# Altium PCB PCB1.PcbDoc (part 3 of 4) (continued)
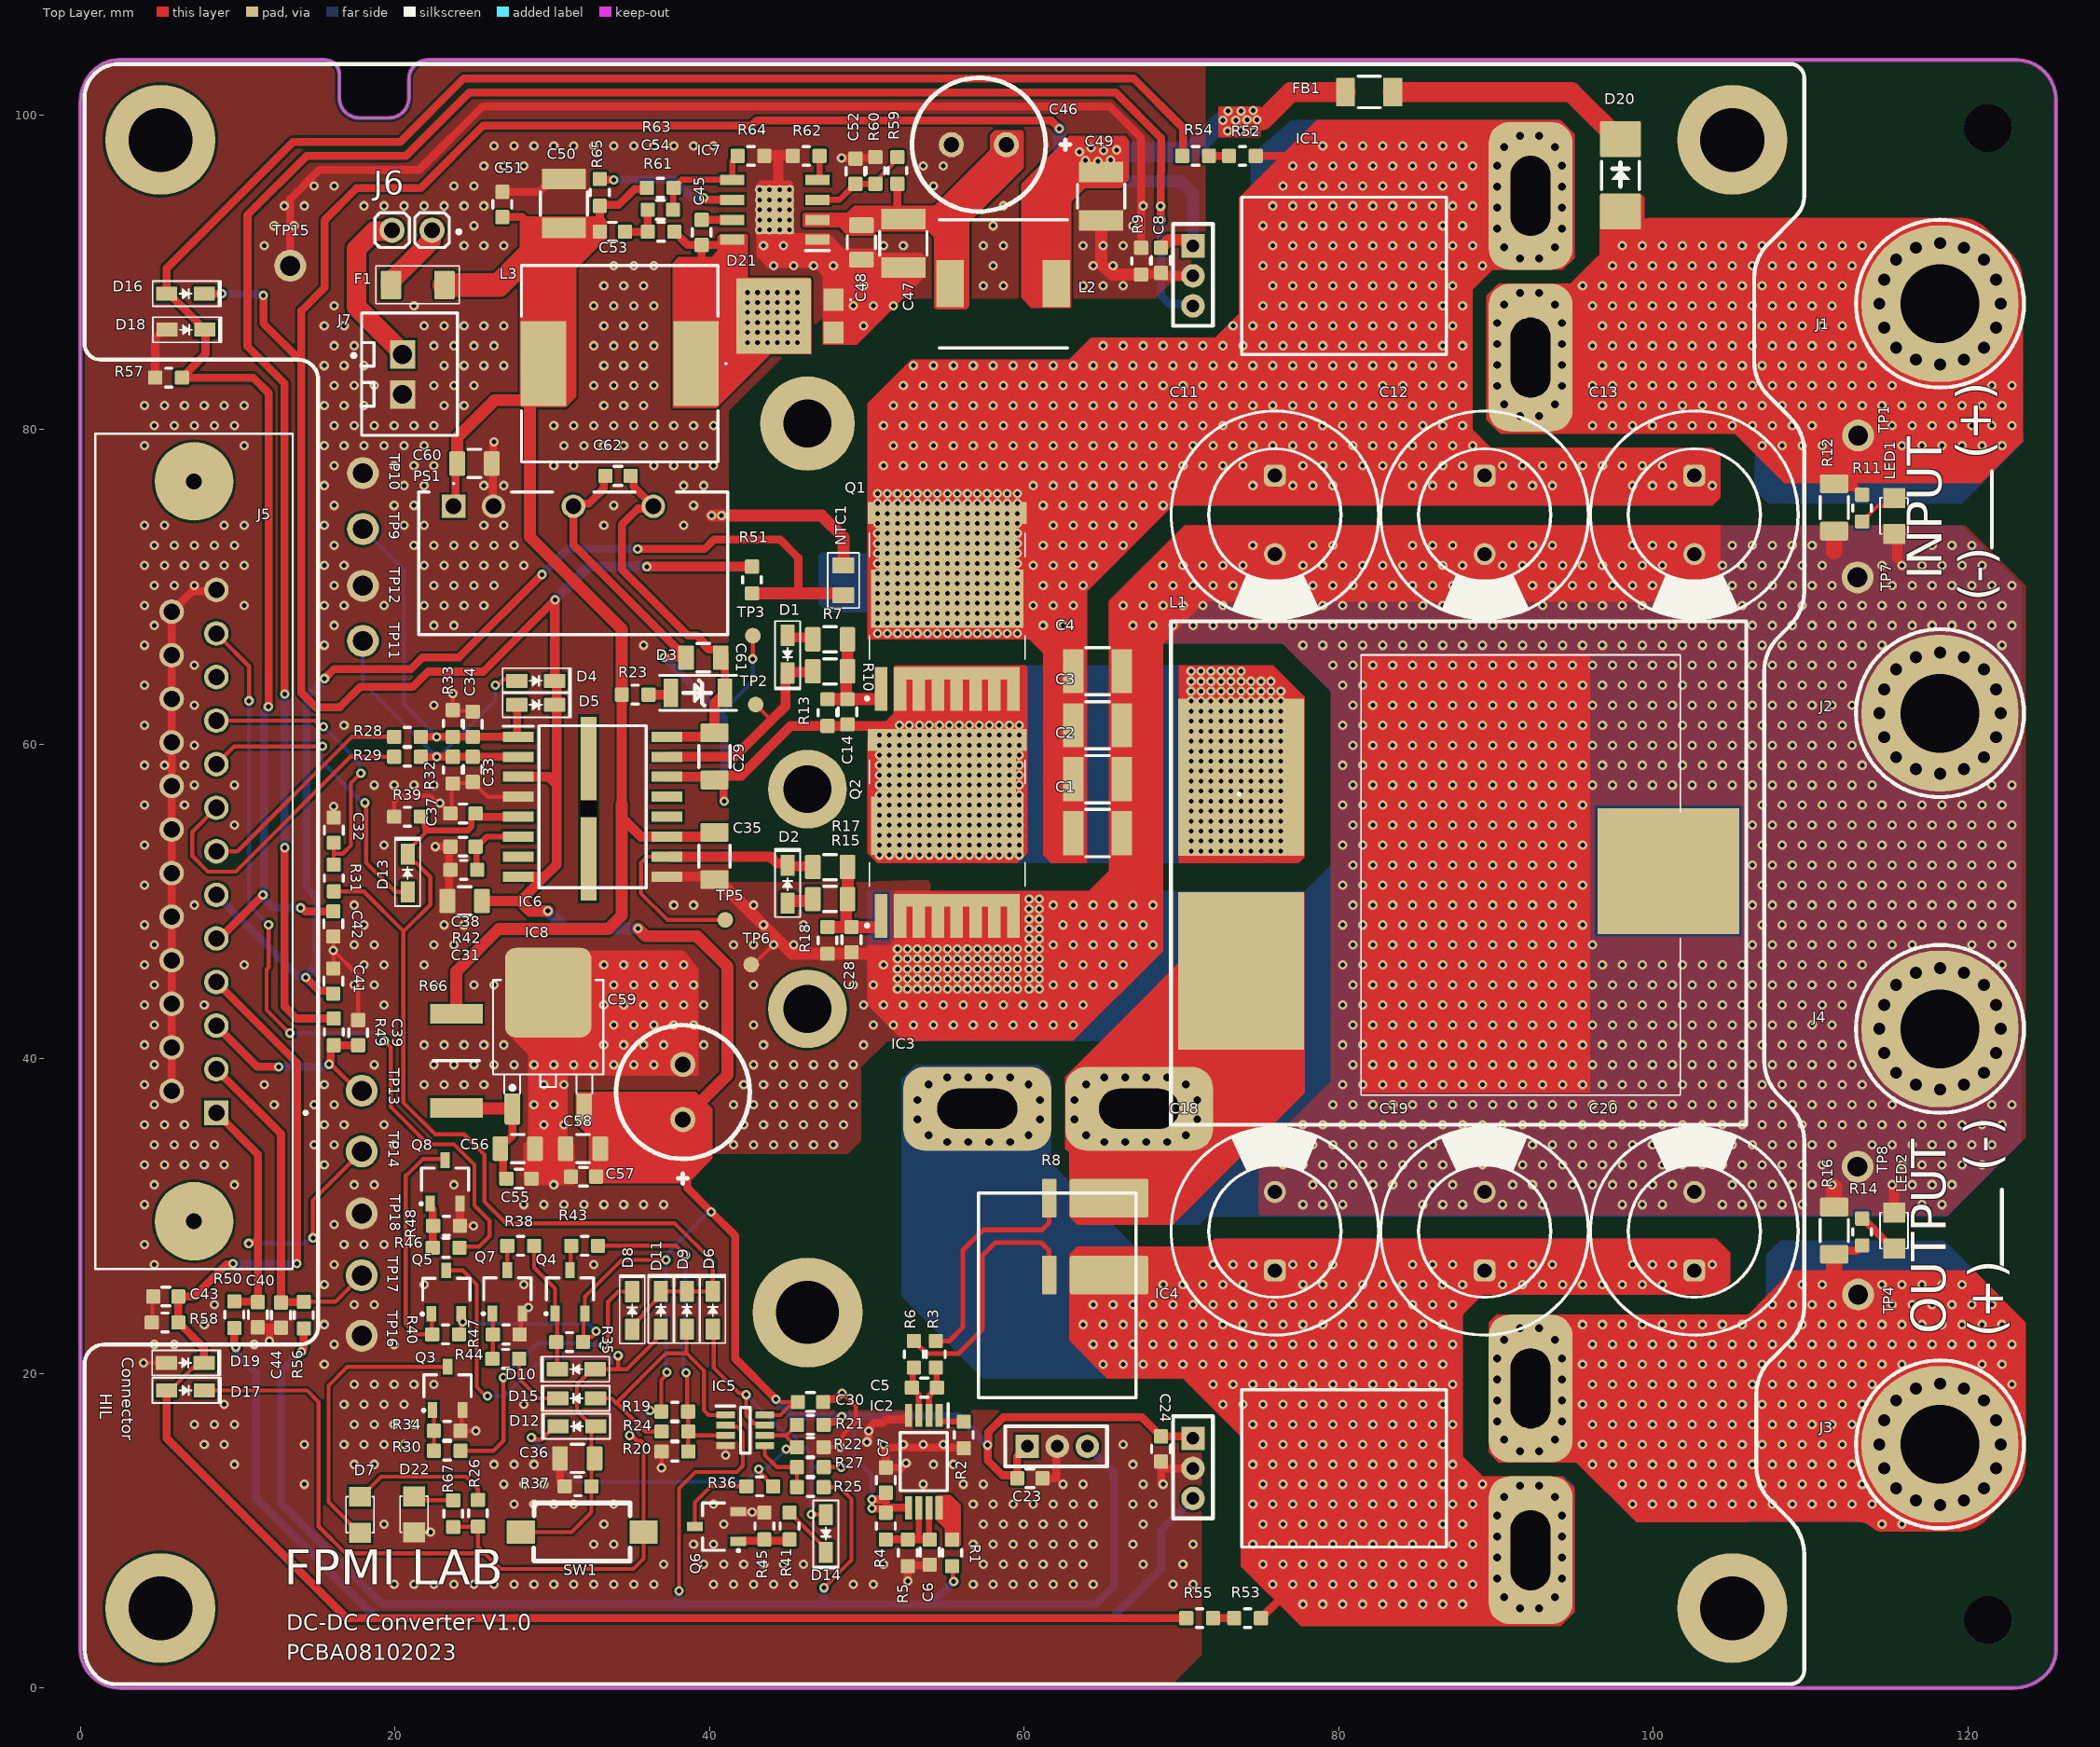
[diagram p0: Top Layer view]
## Nets (pads, with @x,y where several pads share a name; then routed paths per layer and width w, separated by ;. In a path a pad name is that pad's centre, name@x,y a point inside that pad or via, vN(x,y) a via of type N, cw(c..) or ccw(c..) an arc to the next point about the centre after c; other vN are vias at no path point) (continued)
106.299,70.104 107.569,70.104 108.839,70.104 110.109,70.104 111.379,70.104 115.189,70.104 116.459,70.104 117.729,70.104 118.999,70.104 120.269,70.104 121.539,70.104 122.809,70.104 4.064,71.374 5.334,71.374 6.604,71.374 7.874,71.374 9.144,71.374 10.414,71.374 15.494,71.374 16.764,71.374 21.844,71.374 23.114,71.374 24.384,71.374 25.654,71.374 26.924,71.374 28.194,71.374 68.834,71.374 70.104,71.374 71.374,71.374 72.644,71.374 73.914,71.374 77.724,71.374 78.994,71.374 80.264,71.374 81.534,71.374 82.804,71.374 84.074,71.374 85.344,71.374 86.614,71.374 87.884,71.374 90.424,71.374 91.694,71.374 92.964,71.374 94.234,71.374 95.504,71.374 96.774,71.374 98.044,71.374 99.314,71.374 100.584,71.374 104.394,71.374 105.664,71.374 106.934,71.374 108.204,71.374 109.474,71.374 110.744,71.374 114.554,71.374 115.824,71.374 117.094,71.374 118.364,71.374 119.634,71.374 120.904,71.374 4.699,72.644 5.969,72.644 7.239,72.644 8.509,72.644 9.779,72.644 16.129,72.644 21.209,72.644 22.479,72.644 23.749,72.644 25.019,72.644 26.289,72.644 27.559,72.644 74.549,72.644 78.359,72.644 79.629,72.644 84.709,72.644 85.979,72.644 87.249,72.644 91.059,72.644 92.329,72.644 93.599,72.644 98.679,72.644 99.949,72.644 101.219,72.644 105.029,72.644 106.299,72.644 107.569,72.644 108.839,72.644 110.109,72.644 117.729,72.644 118.999,72.644 120.269,72.644 4.064,73.914 5.334,73.914 9.144,73.914 10.414,73.914 15.494,73.914 20.574,73.914 21.844,73.914 25.654,73.914 26.924,73.914 33.274,73.914 38.354,73.914 16.129,75.184 19.939,75.184 21.209,75.184 33.909,75.184 38.989,75.184 15.494,76.454 20.574,76.454 21.844,76.454 25.654,76.454 26.924,76.454 38.354,76.454 39.624,76.454 16.129,77.724 19.939,77.724 21.209,77.724 22.479,77.724 30.099,77.724 31.369,77.724 36.449,77.724 37.719,77.724 38.989,77.724 40.259,77.724 4.064,78.994 10.414,78.994 15.494,78.994 16.764,78.994 18.034,78.994 19.304,78.994 20.574,78.994 21.844,78.994 30.734,78.994 32.004,78.994 33.274,78.994 34.544,78.994 35.814,78.994 37.084,78.994 38.354,78.994 39.624,78.994 4.699,80.264 5.969,80.264 7.239,80.264 8.509,80.264 9.779,80.264 16.129,80.264 17.399,80.264 18.669,80.264 19.939,80.264 21.209,80.264 22.479,80.264 30.099,80.264 31.369,80.264 32.639,80.264 33.909,80.264 35.179,80.264 36.449,80.264 37.719,80.264 38.989,80.264 40.259,80.264 4.064,81.534 5.334,81.534 6.604,81.534 7.874,81.534 9.144,81.534 10.414,81.534 15.494,81.534 16.764,81.534 18.034,81.534 23.114,81.534 24.384,81.534 33.274,81.534 34.544,81.534 35.814,81.534 16.129,82.804 17.399,82.804 18.669,82.804 22.479,82.804 23.749,82.804 25.019,82.804 32.639,82.804 33.909,82.804 35.179,82.804 36.449,82.804 15.494,84.074 16.764,84.074 18.034,84.074 23.114,84.074 24.384,84.074 25.654,84.074 26.924,84.074 33.274,84.074 34.544,84.074 35.814,84.074 16.129,85.344 17.399,85.344 22.479,85.344 23.749,85.344 25.019,85.344 26.289,85.344 32.639,85.344 33.909,85.344 35.179,85.344 36.449,85.344 15.494,86.614 16.764,86.614 21.844,86.614 23.114,86.614 24.384,86.614 25.654,86.614 26.924,86.614 33.274,86.614 34.544,86.614 35.814,86.614 49.784,86.614 16.129,87.884 21.209,87.884 32.639,87.884 33.909,87.884 35.179,87.884 36.449,87.884 49.149,87.884 50.419,87.884 51.689,87.884 33.274,89.154 34.544,89.154 35.814,89.154 49.784,89.154 57.404,89.154 58.674,89.154 63.754,89.154 65.024,89.154 66.294,89.154 33.909,90.424 35.179,90.424 36.449,90.424 44.069,90.424 45.339,90.424 46.609,90.424 47.879,90.424 58.039,90.424 64.389,90.424 65.659,90.424 11.684,91.694 24.384,91.694 25.654,91.694 26.924,91.694 43.434,91.694 44.704,91.694 51.054,91.694 52.324,91.694 57.404,91.694 58.674,91.694 63.754,91.694 65.024,91.694 66.294,91.694 43.18,92.71 43.815,92.71 44.45,92.71 45.085,92.71 12.319,92.964 13.589,92.964 25.019,92.964 58.039,92.964 66.929,92.964 43.18,93.345 43.815,93.345 44.45,93.345 45.085,93.345 43.18,93.98 43.815,93.98 44.45,93.98 45.085,93.98 12.954,94.234 14.224,94.234 18.034,94.234 19.304,94.234 20.574,94.234 21.844,94.234 23.114,94.234 24.384,94.234 25.654,94.234 58.674,94.234 67.564,94.234 43.18,94.615 43.815,94.615 45.085,94.615 43.18,95.25 43.815,95.25 45.085,95.25 14.859,95.504 16.129,95.504 23.749,95.504 25.019,95.504 54.229,95.504 25.654,96.774 26.924,96.774 28.194,96.774 53.594,96.774 54.864,96.774 26.289,98.044 27.559,98.044 28.829,98.044 30.099,98.044 31.369,98.044 32.639,98.044 33.909,98.044 35.179,98.044 36.449,98.044 37.719,98.044 38.989,98.044 40.259,98.044
  other v2: 118.237,38.054 116.713,38.354 119.761,38.354 115.443,39.116 121.031,39.116 114.681,40.386 121.793,40.386 114.381,41.91 122.093,41.91 114.681,43.434 121.793,43.434 115.443,44.704 121.031,44.704 116.713,45.466 119.761,45.466 118.237,45.766 118.237,58.12 116.713,58.42 119.761,58.42 115.443,59.182 121.031,59.182 114.681,60.452 121.793,60.452 114.381,61.976 122.093,61.976 114.681,63.5 121.793,63.5 115.443,64.77 121.031,64.77 116.713,65.532 119.761,65.532 118.237,65.832
V_in: C9.2 C10.2 D20.1 IC1.4 J1.1 R11.1 R12.2 TP1.1 | length 6
  Top Layer w0.508: R12.2@111.506,76.557 111.736,76.327 112.825,76.327 R11.1@113.284,75.868
  Top Layer w1.016: R12.2@111.506,76.557 111.506,80.264
  Top Layer w1.27: D20.1@97.927,93.876 D20.1@98.077,93.876 ; 99.624,92.329 99.695,92.329
  other v1: 106.934,78.994 108.204,78.994 109.474,78.994 110.744,78.994 115.824,78.994 117.094,78.994 118.364,78.994 119.634,78.994 120.904,78.994 122.174,78.994 96.139,80.264 97.409,80.264 98.679,80.264 99.949,80.264 101.219,80.264 102.489,80.264 103.759,80.264 105.029,80.264 106.299,80.264 107.569,80.264 108.839,80.264 110.109,80.264 115.189,80.264 116.459,80.264 117.729,80.264 118.999,80.264 120.269,80.264 121.539,80.264 122.809,80.264 96.774,81.534 98.044,81.534 99.314,81.534 100.584,81.534 101.854,81.534 103.124,81.534 104.394,81.534 105.664,81.534 106.934,81.534 108.204,81.534 109.474,81.534 110.744,81.534 112.014,81.534 113.284,81.534 114.554,81.534 115.824,81.534 117.094,81.534 118.364,81.534 119.634,81.534 120.904,81.534 122.174,81.534 96.139,82.804 97.409,82.804 98.679,82.804 99.949,82.804 101.219,82.804 102.489,82.804 103.759,82.804 105.029,82.804 106.299,82.804 107.569,82.804 108.839,82.804 110.109,82.804 111.379,82.804 112.649,82.804 113.919,82.804 115.189,82.804 121.539,82.804 122.809,82.804 96.774,84.074 98.044,84.074 99.314,84.074 100.584,84.074 101.854,84.074 103.124,84.074 104.394,84.074 105.664,84.074 106.934,84.074 108.204,84.074 109.474,84.074 110.744,84.074 112.014,84.074 113.284,84.074 96.139,85.344 97.409,85.344 98.679,85.344 99.949,85.344 101.219,85.344 102.489,85.344 103.759,85.344 105.029,85.344 106.299,85.344 107.569,85.344 108.839,85.344 110.109,85.344 111.379,85.344 112.649,85.344 96.774,86.614 98.044,86.614 99.314,86.614 100.584,86.614 101.854,86.614 103.124,86.614 104.394,86.614 105.664,86.614 106.934,86.614 108.204,86.614 109.474,86.614 110.744,86.614 112.014,86.614 96.139,87.884 97.409,87.884 98.679,87.884 99.949,87.884 101.219,87.884 102.489,87.884 103.759,87.884 105.029,87.884 106.299,87.884 107.569,87.884 108.839,87.884 110.109,87.884 111.379,87.884 95.504,89.154 96.774,89.154 98.044,89.154 99.314,89.154 100.584,89.154 101.854,89.154 103.124,89.154 104.394,89.154 105.664,89.154 106.934,89.154 108.204,89.154 109.474,89.154 110.744,89.154 112.014,89.154 97.409,90.424 98.679,90.424 99.949,90.424 101.219,90.424 102.489,90.424 103.759,90.424 105.029,90.424 106.299,90.424 107.569,90.424 108.839,90.424 110.109,90.424 111.379,90.424 112.649,90.424 98.044,91.694 99.314,91.694 100.584,91.694 101.854,91.694 103.124,91.694 104.394,91.694 105.664,91.694 106.934,91.694 108.204,91.694 109.474,91.694 110.744,91.694 112.014,91.694 113.284,91.694
  other v2: 118.237,84.155 116.713,84.455 119.761,84.455 115.443,85.217 121.031,85.217 114.681,86.487 121.793,86.487 114.381,88.011 122.093,88.011 114.681,89.535 121.793,89.535 115.443,90.805 121.031,90.805 116.713,91.567 119.761,91.567 118.237,91.867
V_In_Cap: C1.2 C2.2 C3.2 C4.2 C11.1 C12.1 C13.1 C15.2 C16.2 C17.2 IC1.5 Q1.T1 Q1.T2 Q1.T3 R52.2 | length 2.9
  Top Layer w0.508: R52.2@74.725,97.409 77.47,97.409 77.597,97.282
  other v1: 50.673,67.056 51.308,67.056 51.943,67.056 52.578,67.056 53.213,67.056 53.848,67.056 54.483,67.056 55.118,67.056 55.753,67.056 56.388,67.056 57.023,67.056 57.658,67.056 58.293,67.056 58.928,67.056 59.563,67.056 61.214,67.564 62.484,67.564 50.673,67.691 51.308,67.691 51.943,67.691 52.578,67.691 53.213,67.691 53.848,67.691 54.483,67.691 55.118,67.691 55.753,67.691 56.388,67.691 57.023,67.691 57.658,67.691 58.293,67.691 58.928,67.691 59.563,67.691 50.673,68.326 51.308,68.326 51.943,68.326 52.578,68.326 53.213,68.326 53.848,68.326 54.483,68.326 55.118,68.326 55.753,68.326 56.388,68.326 57.023,68.326 57.658,68.326 58.293,68.326 58.928,68.326 59.563,68.326 60.579,68.834 61.849,68.834 63.119,68.834 50.673,68.961 51.308,68.961 51.943,68.961 52.578,68.961 53.213,68.961 53.848,68.961 54.483,68.961 55.118,68.961 55.753,68.961 56.388,68.961 57.023,68.961 57.658,68.961 58.293,68.961 58.928,68.961 59.563,68.961 50.673,69.596 51.308,69.596 51.943,69.596 52.578,69.596 53.213,69.596 53.848,69.596 54.483,69.596 55.118,69.596 55.753,69.596 56.388,69.596 57.023,69.596 57.658,69.596 58.293,69.596 58.928,69.596 59.563,69.596 61.214,70.104 62.484,70.104 63.754,70.104 50.673,70.231 51.308,70.231 51.943,70.231 52.578,70.231 53.213,70.231 53.848,70.231 54.483,70.231 55.118,70.231 55.753,70.231 56.388,70.231 57.023,70.231 57.658,70.231 58.293,70.231 58.928,70.231 59.563,70.231 50.673,70.866 51.308,70.866 51.943,70.866 52.578,70.866 53.213,70.866 53.848,70.866 54.483,70.866 55.118,70.866 55.753,70.866 56.388,70.866 57.023,70.866 57.658,70.866 58.293,70.866 58.928,70.866 59.563,70.866 60.579,71.374 61.849,71.374 63.119,71.374 64.389,71.374 50.673,71.501 51.308,71.501 51.943,71.501 52.578,71.501 53.213,71.501 53.848,71.501 54.483,71.501 55.118,71.501 55.753,71.501 56.388,71.501 57.023,71.501 57.658,71.501 58.293,71.501 58.928,71.501 59.563,71.501 50.673,72.136 51.308,72.136 51.943,72.136 52.578,72.136 53.213,72.136 53.848,72.136 54.483,72.136 55.118,72.136 55.753,72.136 56.388,72.136 57.023,72.136 57.658,72.136 58.293,72.136 58.928,72.136 59.563,72.136 61.214,72.644 62.484,72.644 63.754,72.644 65.024,72.644 66.294,72.644 50.673,72.771 51.308,72.771 51.943,72.771 52.578,72.771 53.213,72.771 53.848,72.771 54.483,72.771 55.118,72.771 55.753,72.771 56.388,72.771 57.023,72.771 57.658,72.771 58.293,72.771 58.928,72.771 59.563,72.771 50.673,73.406 51.308,73.406 51.943,73.406 52.578,73.406 53.213,73.406 53.848,73.406 54.483,73.406 55.118,73.406 55.753,73.406 56.388,73.406 57.023,73.406 57.658,73.406 58.293,73.406 58.928,73.406 59.563,73.406 61.849,73.914 63.119,73.914 64.389,73.914 65.659,73.914 66.929,73.914 50.673,74.041 51.308,74.041 51.943,74.041 52.578,74.041 53.213,74.041 53.848,74.041 54.483,74.041 55.118,74.041 55.753,74.041 56.388,74.041 57.023,74.041 57.658,74.041 58.293,74.041 58.928,74.041 59.563,74.041 50.673,74.676 51.308,74.676 51.943,74.676 52.578,74.676 53.213,74.676 53.848,74.676 54.483,74.676 55.118,74.676 55.753,74.676 56.388,74.676 57.023,74.676 57.658,74.676 58.293,74.676 58.928,74.676 59.563,74.676 61.214,75.184 62.484,75.184 63.754,75.184 65.024,75.184 66.294,75.184 67.564,75.184 68.834,75.184 50.673,75.311 51.308,75.311 51.943,75.311 52.578,75.311 53.213,75.311 53.848,75.311 54.483,75.311 55.118,75.311 55.753,75.311 56.388,75.311 57.023,75.311 57.658,75.311 58.293,75.311 58.928,75.311 59.563,75.311 50.673,75.946 51.308,75.946 51.943,75.946 52.578,75.946 53.213,75.946 53.848,75.946 54.483,75.946 55.118,75.946 55.753,75.946 56.388,75.946 57.023,75.946 57.658,75.946 58.293,75.946 58.928,75.946 59.563,75.946 60.579,76.454 61.849,76.454 63.119,76.454 64.389,76.454 65.659,76.454 66.929,76.454 68.199,76.454 69.469,76.454 74.549,76.454 77.089,76.454 78.359,76.454 79.629,76.454 84.709,76.454 85.979,76.454 87.249,76.454 91.059,76.454 92.329,76.454 93.599,76.454 98.679,76.454 99.949,76.454 101.219,76.454 103.759,76.454 51.054,77.724 52.324,77.724 53.594,77.724 54.864,77.724 56.134,77.724 57.404,77.724 58.674,77.724 59.944,77.724 61.214,77.724 62.484,77.724 63.754,77.724 65.024,77.724 66.294,77.724 67.564,77.724 68.834,77.724 70.104,77.724 71.374,77.724 72.644,77.724 73.914,77.724 77.724,77.724 78.994,77.724 80.264,77.724 81.534,77.724 82.804,77.724 84.074,77.724 85.344,77.724 86.614,77.724 87.884,77.724 90.424,77.724 91.694,77.724 92.964,77.724 94.234,77.724 95.504,77.724 96.774,77.724 98.044,77.724 99.314,77.724 100.584,77.724 51.689,78.994 52.959,78.994 54.229,78.994 55.499,78.994 56.769,78.994 58.039,78.994 59.309,78.994 60.579,78.994 61.849,78.994 63.119,78.994 64.389,78.994 65.659,78.994 66.929,78.994 68.199,78.994 69.469,78.994 70.739,78.994 72.009,78.994 73.279,78.994 74.549,78.994 75.819,78.994 77.089,78.994 78.359,78.994 79.629,78.994 80.899,78.994 82.169,78.994 83.439,78.994 84.709,78.994 85.979,78.994 87.249,78.994 88.519,78.994 51.054,80.264 52.324,80.264 53.594,80.264 54.864,80.264 56.134,80.264 57.404,80.264 58.674,80.264 59.944,80.264 61.214,80.264 62.484,80.264 63.754,80.264 65.024,80.264 66.294,80.264 67.564,80.264 68.834,80.264 70.104,80.264 71.374,80.264 72.644,80.264 73.914,80.264 75.184,80.264 76.454,80.264 77.724,80.264 78.994,80.264 80.264,80.264 81.534,80.264 82.804,80.264 84.074,80.264 85.344,80.264 86.614,80.264 87.884,80.264 51.689,81.534 52.959,81.534 54.229,81.534 55.499,81.534 56.769,81.534 58.039,81.534 59.309,81.534 60.579,81.534 61.849,81.534 63.119,81.534 64.389,81.534 65.659,81.534 66.929,81.534 68.199,81.534 69.469,81.534 70.739,81.534 72.009,81.534 73.279,81.534 74.549,81.534 75.819,81.534 77.089,81.534 78.359,81.534 79.629,81.534 80.899,81.534 82.169,81.534 83.439,81.534 84.709,81.534 85.979,81.534 87.249,81.534 52.324,82.804 53.594,82.804 54.864,82.804 56.134,82.804 57.404,82.804 58.674,82.804 59.944,82.804 61.214,82.804 62.484,82.804 63.754,82.804 65.024,82.804 66.294,82.804 67.564,82.804 68.834,82.804 70.104,82.804 71.374,82.804 72.644,82.804 73.914,82.804 75.184,82.804 76.454,82.804 77.724,82.804 78.994,82.804 80.264,82.804 81.534,82.804 82.804,82.804 84.074,82.804 85.344,82.804 86.614,82.804 87.884,82.804 52.959,84.074 54.229,84.074 55.499,84.074 56.769,84.074 58.039,84.074 59.309,84.074 60.579,84.074 61.849,84.074 63.119,84.074 64.389,84.074 65.659,84.074 66.929,84.074 68.199,84.074 69.469,84.074 70.739,84.074 72.009,84.074 73.279,84.074 74.549,84.074 75.819,84.074 77.089,84.074 78.359,84.074 79.629,84.074 80.899,84.074 82.169,84.074 83.439,84.074 84.709,84.074 85.979,84.074 87.249,84.074 65.024,85.344 66.294,85.344 67.564,85.344 68.834,85.344 70.104,85.344 71.374,85.344 72.644,85.344 73.914,85.344 75.184,85.344 76.454,85.344 77.724,85.344 78.994,85.344 80.264,85.344 81.534,85.344 82.804,85.344 84.074,85.344 85.344,85.344 86.614,85.344 87.884,85.344 73.279,86.614 74.549,86.614 75.819,86.614 77.089,86.614 78.359,86.614 79.629,86.614 80.899,86.614 82.169,86.614 83.439,86.614 84.709,86.614 85.979,86.614 87.249,86.614 75.184,87.884 76.454,87.884 77.724,87.884 78.994,87.884 80.264,87.884 81.534,87.884 82.804,87.884 84.074,87.884 85.344,87.884 86.614,87.884 87.884,87.884 75.819,89.154 77.089,89.154 78.359,89.154 79.629,89.154 80.899,89.154 82.169,89.154 83.439,89.154 84.709,89.154 85.979,89.154 87.249,89.154 75.184,90.424 76.454,90.424 77.724,90.424 78.994,90.424 80.264,90.424 81.534,90.424 82.804,90.424 84.074,90.424 85.344,90.424 86.614,90.424 87.884,90.424 89.154,90.424 75.819,91.694 77.089,91.694 78.359,91.694 79.629,91.694 80.899,91.694 82.169,91.694 83.439,91.694 84.709,91.694 85.979,91.694 87.249,91.694 88.519,91.694 75.184,92.964 76.454,92.964 77.724,92.964 78.994,92.964 80.264,92.964 81.534,92.964 82.804,92.964 84.074,92.964 85.344,92.964 86.614,92.964 87.884,92.964 75.819,94.234 77.089,94.234 78.359,94.234 79.629,94.234 80.899,94.234 82.169,94.234 83.439,94.234 84.709,94.234 85.979,94.234 87.249,94.234 88.519,94.234 76.454,95.504 77.724,95.504 78.994,95.504 80.264,95.504 81.534,95.504 82.804,95.504 84.074,95.504 85.344,95.504 86.614,95.504 87.884,95.504 77.089,96.774 78.359,96.774 79.629,96.774 80.899,96.774 82.169,96.774 83.439,96.774 84.709,96.774 85.979,96.774 87.249,96.774 88.519,96.774 78.994,98.044 80.264,98.044 81.534,98.044 82.804,98.044 84.074,98.044 85.344,98.044 86.614,98.044 87.884,98.044
V_Out: C21.2 C22.2 IC4.5 J3.1 R14.1 R16.2 TP4.1 | length 3.3
  Top Layer w0.508: R16.2@111.506,27.583 111.713,27.79 112.929,27.79 R14.1@113.284,28.145
  Top Layer w1.016: 111.506,26.289 R16.2@111.506,27.583
  other v1: 114.554,10.414 115.824,10.414 98.679,11.684 99.949,11.684 101.219,11.684 102.489,11.684 103.759,11.684 105.029,11.684 106.299,11.684 107.569,11.684 108.839,11.684 110.109,11.684 111.379,11.684 112.649,11.684 113.919,11.684 98.044,12.954 99.314,12.954 100.584,12.954 101.854,12.954 103.124,12.954 104.394,12.954 105.664,12.954 106.934,12.954 108.204,12.954 109.474,12.954 110.744,12.954 112.014,12.954 113.284,12.954 96.139,14.224 97.409,14.224 98.679,14.224 99.949,14.224 101.219,14.224 102.489,14.224 103.759,14.224 105.029,14.224 106.299,14.224 107.569,14.224 108.839,14.224 110.109,14.224 111.379,14.224 112.649,14.224 95.504,15.494 96.774,15.494 98.044,15.494 99.314,15.494 100.584,15.494 101.854,15.494 103.124,15.494 104.394,15.494 105.664,15.494 106.934,15.494 108.204,15.494 109.474,15.494 110.744,15.494 112.014,15.494 96.139,16.764 97.409,16.764 98.679,16.764 99.949,16.764 101.219,16.764 102.489,16.764 103.759,16.764 105.029,16.764 106.299,16.764 107.569,16.764 108.839,16.764 110.109,16.764 111.379,16.764 112.649,16.764 95.504,18.034 96.774,18.034 98.044,18.034 99.314,18.034 100.584,18.034 101.854,18.034 103.124,18.034 104.394,18.034 105.664,18.034 106.934,18.034 108.204,18.034 109.474,18.034 110.744,18.034 112.014,18.034 113.284,18.034 96.139,19.304 97.409,19.304 98.679,19.304 99.949,19.304 101.219,19.304 102.489,19.304 103.759,19.304 105.029,19.304 106.299,19.304 107.569,19.304 108.839,19.304 110.109,19.304 111.379,19.304 112.649,19.304 113.919,19.304 122.809,19.304 95.504,20.574 96.774,20.574 98.044,20.574 99.314,20.574 100.584,20.574 101.854,20.574 103.124,20.574 104.394,20.574 105.664,20.574 106.934,20.574 108.204,20.574 109.474,20.574 110.744,20.574 112.014,20.574 113.284,20.574 114.554,20.574 115.824,20.574 120.904,20.574 122.174,20.574 96.139,21.844 97.409,21.844 98.679,21.844 99.949,21.844 101.219,21.844 102.489,21.844 103.759,21.844 105.029,21.844 106.299,21.844 107.569,21.844 108.839,21.844 110.109,21.844 111.379,21.844 112.649,21.844 113.919,21.844 115.189,21.844 116.459,21.844 117.729,21.844 118.999,21.844 120.269,21.844 121.539,21.844 122.809,21.844 95.504,23.114 96.774,23.114 98.044,23.114 99.314,23.114 100.584,23.114 101.854,23.114 103.124,23.114 104.394,23.114 105.664,23.114 106.934,23.114 108.204,23.114 109.474,23.114 110.744,23.114 112.014,23.114 113.284,23.114 114.554,23.114 115.824,23.114 117.094,23.114 118.364,23.114 119.634,23.114 120.904,23.114 122.174,23.114 107.569,24.384 108.839,24.384 110.109,24.384 111.379,24.384 115.189,24.384 116.459,24.384 117.729,24.384 118.999,24.384 120.269,24.384 121.539,24.384 109.474,25.654 110.744,25.654 114.554,25.654 115.824,25.654 117.094,25.654 118.364,25.654 119.634,25.654
  other v3: 118.237,11.638 116.713,11.938 119.761,11.938 115.443,12.7 121.031,12.7 114.681,13.97 121.793,13.97 114.381,15.494 122.093,15.494 114.681,17.018 121.793,17.018 115.443,18.288 121.031,18.288 116.713,19.05 119.761,19.05 118.237,19.35
V_Out_Cap: C18.1 C19.1 C20.1 C25.2 C26.2 C27.2 IC3.5 IC4.4 R8.I2 R53.2 | length 1.8
  Top Layer w0.508: R53.2@75.057,4.445 76.327,5.715
  other v1: 77.724,5.334 78.994,5.334 80.264,5.334 81.534,5.334 82.804,5.334 84.074,5.334 85.344,5.334 86.614,5.334 87.884,5.334 75.819,6.604 77.089,6.604 78.359,6.604 79.629,6.604 80.899,6.604 82.169,6.604 83.439,6.604 84.709,6.604 85.979,6.604 87.249,6.604 88.519,6.604 75.184,7.874 76.454,7.874 77.724,7.874 78.994,7.874 80.264,7.874 81.534,7.874 82.804,7.874 84.074,7.874 85.344,7.874 86.614,7.874 87.884,7.874 74.549,9.144 75.819,9.144 77.089,9.144 78.359,9.144 79.629,9.144 80.899,9.144 82.169,9.144 83.439,9.144 84.709,9.144 85.979,9.144 87.249,9.144 88.519,9.144 75.184,10.414 76.454,10.414 77.724,10.414 78.994,10.414 80.264,10.414 81.534,10.414 82.804,10.414 84.074,10.414 85.344,10.414 86.614,10.414 87.884,10.414 74.549,11.684 75.819,11.684 77.089,11.684 78.359,11.684 79.629,11.684 80.899,11.684 82.169,11.684 83.439,11.684 84.709,11.684 85.979,11.684 87.249,11.684 88.519,11.684 75.184,12.954 76.454,12.954 77.724,12.954 78.994,12.954 80.264,12.954 81.534,12.954 82.804,12.954 84.074,12.954 85.344,12.954 86.614,12.954 87.884,12.954 89.154,12.954 74.549,14.224 75.819,14.224 77.089,14.224 78.359,14.224 79.629,14.224 80.899,14.224 82.169,14.224 83.439,14.224 84.709,14.224 85.979,14.224 87.249,14.224 75.184,15.494 76.454,15.494 77.724,15.494 78.994,15.494 80.264,15.494 81.534,15.494 82.804,15.494 84.074,15.494 85.344,15.494 86.614,15.494 74.549,16.764 75.819,16.764 77.089,16.764 78.359,16.764 79.629,16.764 80.899,16.764 82.169,16.764 83.439,16.764 84.709,16.764 85.979,16.764 87.249,16.764 72.644,18.034 73.914,18.034 75.184,18.034 76.454,18.034 77.724,18.034 78.994,18.034 80.264,18.034 81.534,18.034 82.804,18.034 84.074,18.034 85.344,18.034 86.614,18.034 72.009,19.304 73.279,19.304 74.549,19.304 75.819,19.304 77.089,19.304 78.359,19.304 79.629,19.304 80.899,19.304 82.169,19.304 83.439,19.304 84.709,19.304 85.979,19.304 87.249,19.304 65.024,20.574 66.294,20.574 67.564,20.574 68.834,20.574 70.104,20.574 71.374,20.574 72.644,20.574 73.914,20.574 75.184,20.574 76.454,20.574 77.724,20.574 78.994,20.574 80.264,20.574 81.534,20.574 82.804,20.574 84.074,20.574 85.344,20.574 86.614,20.574 64.389,21.844 65.659,21.844 66.929,21.844 68.199,21.844 69.469,21.844 70.739,21.844 72.009,21.844 73.279,21.844 74.549,21.844 75.819,21.844 77.089,21.844 78.359,21.844 79.629,21.844 80.899,21.844 82.169,21.844 83.439,21.844 84.709,21.844 85.979,21.844 87.249,21.844 63.754,23.114 65.024,23.114 66.294,23.114 67.564,23.114 68.834,23.114 70.104,23.114 71.374,23.114 72.644,23.114 73.914,23.114 75.184,23.114 76.454,23.114 77.724,23.114 78.994,23.114 80.264,23.114 81.534,23.114 82.804,23.114 84.074,23.114 85.344,23.114 86.614,23.114 64.389,24.384 65.659,24.384 66.929,24.384 68.199,24.384 69.469,24.384 70.739,24.384 72.009,24.384 73.279,24.384 74.549,24.384 75.819,24.384 77.089,24.384 78.359,24.384 79.629,24.384 80.899,24.384 82.169,24.384 83.439,24.384 84.709,24.384 85.979,24.384 87.249,24.384 68.834,25.654 70.104,25.654 71.374,25.654 72.644,25.654 73.914,25.654 77.724,25.654 78.994,25.654 80.264,25.654 81.534,25.654 82.804,25.654 84.074,25.654 85.344,25.654 86.614,25.654 87.884,25.654 90.424,25.654 91.694,25.654 92.964,25.654 94.234,25.654 95.504,25.654 96.774,25.654 98.044,25.654 99.314,25.654 100.584,25.654 72.009,26.924 73.279,26.924 74.549,26.924 77.089,26.924 78.359,26.924 79.629,26.924 84.709,26.924 85.979,26.924 87.249,26.924 91.059,26.924 92.329,26.924 93.599,26.924 98.679,26.924 99.949,26.924 101.219,26.924 103.759,26.924